# Altium PCB MOTHERBOARD.PcbDoc (part 3 of 4)
Units mm, origin at the board's own origin, x right, y up, seen from the top; angles counter-clockwise.
Board outline 187 x 77 mm, 4 copper layers (Top Layer, Layer 1, Layer 2, Bottom Layer), stack 1.57 mm thick; 266 components, 248 nets, 1158 pads, 1379 vias.
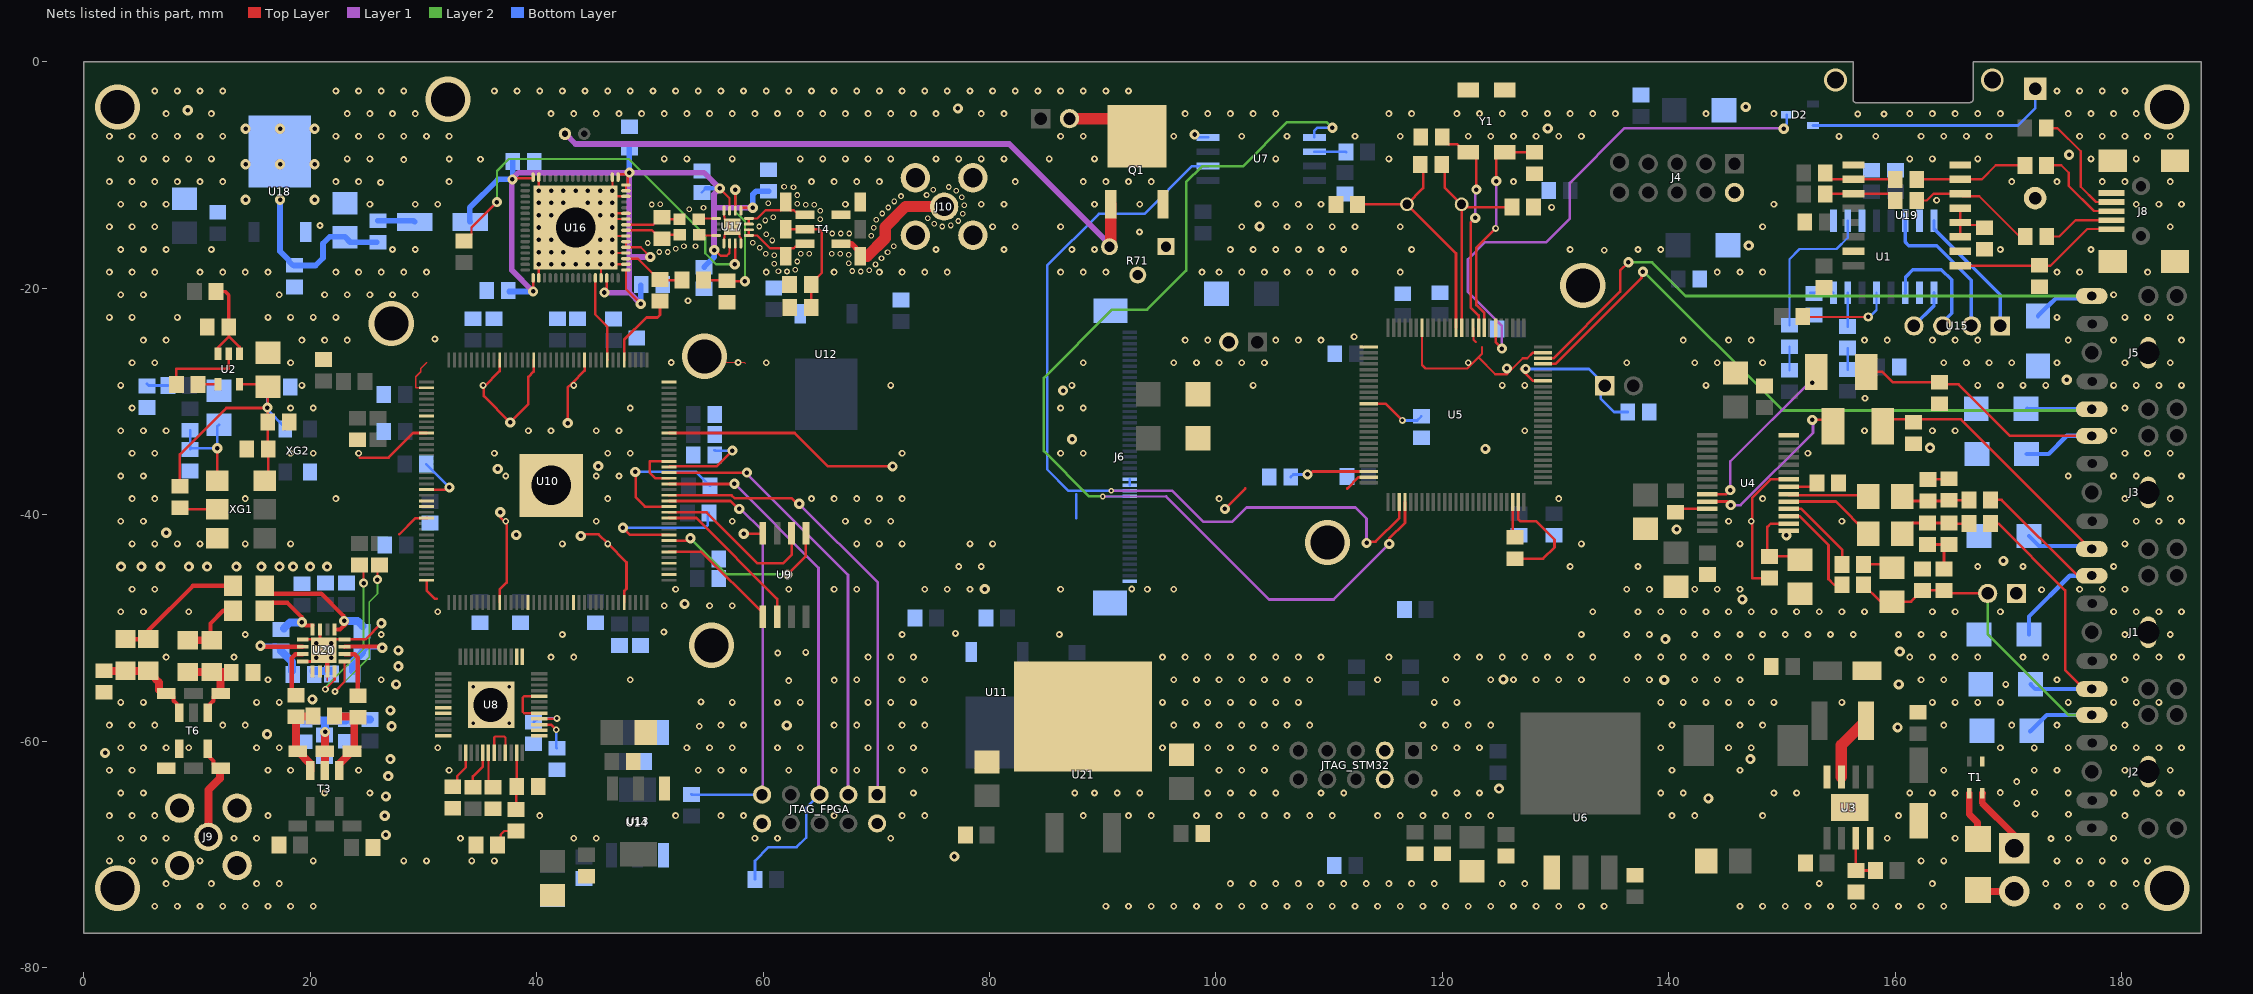
[diagram p5: the nets of this part, all layers, seen from the top]

## Via types
v1: diameter 0.6, hole 0.3, Top Layer to Bottom Layer, tented both sides, 922 vias
v2: diameter 0.9, hole 0.4, Top Layer to Bottom Layer, tented both sides, 305 vias
v3: diameter 0.5, hole 0.3, Top Layer to Bottom Layer, tented both sides, 73 vias
v4: diameter 0.8, hole 0.4, Top Layer to Bottom Layer, tented both sides, 21 vias
v5: diameter 0.5, hole 0.25, Top Layer to Bottom Layer, tented both sides, 16 vias
v6: diameter 0.55, hole 0.3, Top Layer to Bottom Layer, tented both sides, 13 vias
v7: diameter 4, hole 3, Top Layer to Bottom Layer, 10 vias
v8: diameter 0.6, hole 0.25, Top Layer to Bottom Layer, tented both sides, 10 vias
v9: diameter 2, hole 1.5, Top Layer to Bottom Layer, 2 vias
v10: diameter 0.45, hole 0.2, Top Layer to Bottom Layer, tented both sides, 2 vias
v11: diameter 0.7, hole 0.4, Top Layer to Bottom Layer, tented both sides, 2 vias
v12: diameter 3.5, hole 3, Top Layer to Bottom Layer, 1 vias
v13: diameter 0.5, hole 0.2, Top Layer to Bottom Layer, tented both sides, 1 vias
v14: diameter 4, hole 3.5, Top Layer to Bottom Layer, 1 vias

## Nets (pads, with @x,y where several pads share a name; then routed paths per layer and width w, separated by ;. In a path a pad name is that pad's centre, name@x,y a point inside that pad or via, vN(x,y) a via of type N, cw(c..) or ccw(c..) an arc to the next point about the centre after c; other vN are vias at no path point) (continued)
GND: B1.2 C1.2 C2.2 C3.1 C4.1 C5.1 C6.1 C7.1 C8.2 C9.1 C10.1 C11.1 C13.2 C14.2 C15.2 C16.2 C17.2 C19.2 C20.2 C21.1 C22.2 C23.1 C24.2 C27.1 C28.1 C30.1 C31.1 C32.2 C36.1 C37.1 C38.2 C39.2 C40.1 C41.1 C42.1 C43.1 C44.1 C45.1 C46.1 C47.1 C48.1 C49.1 C50.1 C51.2 C52.2 C53.1 C54.2 C56.1 C57.1 C58.1 C59.1 C60.2 C61.2 C62.2 C63.1 C64.1 C65.2 C66.1 C67.2 C68.1 C69.2 C70.2 C71.1 C72.2 C73.2 C74.2 C75.1 C76.2 C77.1 C78.1 C79.2 C80.1 C81.1 C82.2 C83.1 C84.2 C85.1 C86.2 C87.2 C88.2 C89.1 C90.1 C91.2 C92.1 C93.1 C94.2 C95.2 C96.1 C97.1 C98.2 C99.2 C100.1 C101.2 C104.1 C108.2 C109.1 C110.1 C112.2 C113.2 C114.2 C115.2 C116.1 C117.1 C118.1 C119.2 C120.2 C121.2 C122.2 C123.1 C124.1 C125.1 C126.1 C135.1 C136.1 C137.1 D1.2 D3.2 D29.2 D30.2 D31.2 D34.2 D35.2 D36.2 D37.2 D38.2 D39.2 D40.2 J1.1 J2.1 J3.1 J4.2 J5.1 J6.27 J6.28 J6.45 J6.46 J6.47 J8.5 J8.6 J8.7 J8.8 J8.9 J9.1 J9.2 J9.3 J9.4 J10.1 J10.2 J10.3 J10.4 JTAG_FPGA.2 JTAG_FPGA.10 JTAG_STM32.3 JTAG_STM32.4 MIC_IN2.1 PTT_IN.2 Q1.3 R1.1 R5.1 R6.1 R12.1 R13.1 R14.1 R15.1 R16.1 R19.2 R22.2 R23.2 R26.2 R27.1 R28.1 R34.1 R35.1 R38.1 R46.1 R48.2 R49.2 R50.2 R56.1 R57.2 R71.1 R71.2 T1.1 T4.6 T4.10 T6.4 T6.11 U1.2 U1.9 U1.11 U1.15 U2.2 U3.4 U3.8 U3.9 U4.11 U4.15 U4.22 U4.28 U5.10 U5.19 U5.26 U5.49 U5.74 U5.99 U6.1 U7.4 U8.1 U8.2 U8.19 U8.20 U8.24 U8.31 U8.33 U8.37 U8.38 U8.41 U8.44 U8.49 U9.4 U10.2 U10.4 U10.19 U10.22 U10.27 U10.36 U10.41 U10.48 U10.57 U10.63 U10.74 U10.79 U10.82 U10.94 U10.95 U10.97 U10.108 U10.118 U10.123 U10.131 U10.140 U10.145 U11.1 U12.1 U13.1 U14.1 U16.2 U16.4 U16.7 U16.10 U16.11 U16.14 U16.18 U16.31 U16.50 U16.61 U16.65 U17.4 U17.9 U17.12 U17.17 U18.1 U19.2 U19.8 U19.9 U19.15 U20.1 U20.4 U20.5 U20.6 U20.7 U20.12 U20.15 U20.17 U21.3 XG1.3 XG2.2 Y1.2 Y1.3 | length 255.9
  Top Layer w0.102: v7(54.825,-26.025) 55.355,-26.555 58.355,-26.555 58.45,-26.65
  Top Layer w0.15: 21.525,-54.655 U20.7@21.525,-53.85 ; 30.281,-26.592 29.775,-27.098 29.775,-27.375 29.325,-27.825 29.325,-28.75 29.375,-28.8 U10.74@30.3,-28.8
  Top Layer w0.2: 36.25,-59.7 36.35,-59.6 37.133,-59.6 37.25,-59.717 U8.33@37.25,-61.038 ; U16.50@40.2,-19.1 v2(40.2,-17.9) ; v2(40.2,-11.4) U16.31@40.2,-10.2 ; U8.41@40.238,-57.55 38.917,-57.55 38.775,-57.408 38.775,-56.167 38.892,-56.05 U8.44@40.238,-56.05 ; U16.65@41.094,-17.006 v2(40.2,-17.9) ; U16.65@41.572,-16.528 v2(40.2,-17.9) ; U16.65@44.417,-13.388 U16.65@43.45,-14.354 ; U16.65@44.7,-13.4 44.7,-13.131 45.4,-12.431 45.506,-12.431 46.475,-13.4 U16.11@47.9,-13.4 ; U16.65@44.96,-16.16 U16.65@45.304,-16.16 ; U16.65@45.4,-17.213 45.4,-16.6 U16.65@44.2,-15.4 ; U16.65@45.4,-16.256 45.654,-16.256 45.725,-16.327 45.725,-16.475 U16.65@46.7,-17.45 ; U16.65@45.4,-13.388 44.713,-13.388 U16.65@44.2,-13.9 ; U16.65@45.413,-15.388 U16.65@44.675,-14.65 ; U16.65@45.654,-17.213 U16.65@45.654,-16.404 ; U16.65@45.654,-16.263 U16.65@45.654,-16.404 ; U16.61@45.7,-19.1 45.7,-18.25 44.59,-17.14 44.49,-17.14 43.45,-16.1 43.45,-15.35 v14(43.45,-14.65) ; U16.65@46.2,-11.9 U16.14@47.9,-11.9 ; v2(46.7,-17.9) U16.65@46.7,-17.45 ; U16.18@46.7,-10.2 46.7,-11.05 46.575,-11.175 46.475,-11.175 43.45,-14.2 U16.65@43.45,-14.354 ; U16.2@47.9,-17.9 47.05,-17.9 46.925,-17.775 46.925,-17.675 U16.65@46.7,-17.45 ; U16.4@47.9,-16.9 46.925,-16.9 46.378,-16.353 U16.65@44.675,-14.65 ; U16.7@47.9,-15.4 46.475,-15.4 45.4,-15.4 44.544,-15.4 U16.65@44.2,-15.4 ; U16.10@47.9,-13.9 U16.65@44.2,-13.9 ; U17.9@56.55,-16.05 56.55,-15.576 56.6,-15.526 56.6,-15.3 v13(57.3,-14.6) ; U17.4@56.55,-13.15 56.55,-13.624 56.6,-13.674 56.6,-13.9 v13(57.3,-14.6) ; U17.12@58.05,-16.05 58.05,-15.6 57.925,-15.475 57.925,-15.225 v13(57.3,-14.6) ; U5.19@118.2,-23.5 118.2,-26.8 118.5,-27.1 122.2,-27.1 123.184,-26.116 ; U5.10@122.7,-23.5 122.741,-23.541 122.741,-24.553 122.947,-24.759 ; 123.5,-25.2 123.5,-25.8 123.184,-26.116 ; v2(125.7,-27.1) v2@125.95,-27.35 ; U5.99@128.9,-25.7 128,-25.7 127.5,-26.2 127.1,-26.2 v2@125.95,-27.35 ; v2(40.2,-17.9) 42.575,-15.525 v14(43.45,-14.65) ; v14(43.45,-14.65) U16.65@43.45,-14.354 ; v14(43.45,-14.65) U16.65@44.2,-15.4 ; v14(43.45,-14.65) U16.65@43.9,-14.65 ; v14(43.45,-14.65) U16.65@44.2,-13.9 ; U16.65@43.9,-14.65 44.417,-14.65 U16.65@44.675,-14.65 ; U16.65@43.9,-14.65 U16.65@45.654,-16.404 ; U16.65@45.654,-16.404 U16.65@46.7,-17.45 ; 123.184,-26.116 124.667,-27.6 125.7,-27.6 v2@125.95,-27.35
  Top Layer w0.23: J9.4@8.114,-66.97 9.244,-65.84 J9.4@9.244,-65.26 ; C11.1@8.208,-28.505 8.193,-28.491 8.193,-27.122 12.814,-27.122 U2.2@12.814,-25.807 ; U20.4@19.35,-52.975 20.225,-52.975 v2(20.55,-52.65) v2(20.55,-51.35) ; U20.1@19.35,-51.025 20.225,-51.025 U20.17@20.875,-51.675 ; U20.15@20.875,-50.15 U20.17@20.875,-51.675 ; U20.17@22.175,-52.975 21.525,-52.325 v2(20.55,-51.35) ; 24.4,-34.975 26.925,-34.975 28.7,-33.2 29.1,-32.8 U10.82@30.3,-32.8 ; v2(26.3,-49.6) 24.875,-51.025 U20.12@23.05,-51.025 22.175,-51.025 v2(21.85,-51.35) v2(20.55,-51.35) ; 27.875,-41.75 29.313,-40.312 30.288,-40.312 U10.97@30.3,-40.3 ; U10.108@30.3,-45.8 30.3,-46.7 31.05,-47.45 31.175,-47.45 ; U8.31@36.25,-61.038 36.25,-59.7 ; U10.118@36.75,-47.75 36.75,-46.615 37.357,-46.008 37.357,-40.798 36.8,-40.241 v2(36.8,-39.8) ; U10.63@36.75,-26.35 36.75,-27.326 35.351,-28.726 35.351,-29.539 v2(37.673,-31.861) 39.278,-30.256 39.278,-27.851 39.75,-27.379 U10.57@39.75,-26.35 ; v2(42.749,-31.925) 42.749,-28.791 43.114,-28.426 44.25,-27.29 U10.48@44.25,-26.35 ; v2(43.906,-41.885) 44.038,-41.753 45.469,-41.753 46.294,-42.578 47.947,-44.23 47.947,-46.55 47.75,-46.747 U10.140@47.75,-47.75 ; U10.19@51.7,-36.8 50.492,-36.8 50.01,-36.319 50.01,-35.3 U10.22@51.7,-35.3 ; U10.27@51.7,-32.8 62.8,-32.8 65.75,-35.75 v2(71.45,-35.75) ; v2(58.298,-41.703) 59.915,-41.703 U9.4@59.981,-41.638 ; v2(100.8,-39.5) 102.6,-37.7 ; 111.6,-37.7 112.6,-36.7 U5.49@113.5,-36.7 ; C41.1@126.4,-43.9 128.9,-43.9 129.9,-42.9 129.9,-42.2 128.3,-40.6 126.9,-40.6 126.7,-40.4 U5.74@126.7,-38.9 ; C23.1@140.6,-39.8 140.9,-39.5 U4.11@143.4,-39.5 ; C31.1@148.9,-45.6 148.881,-45.619 147.357,-45.619 147.357,-38.526 148.982,-36.9 U4.22@150.6,-36.9 ; v2(150.389,-41.841) 150.389,-41.662 U4.15@150.6,-41.45 ; R5.1@162.4,-43.1 R5.1@162.85,-42.65 C27.1@164.75,-42.65 164.3,-43.1 R12.1@164.3,-44.8 ; C28.1@162.9,-36.9 164.7,-36.9 R6.1@164.75,-36.85 ; v2(20.55,-51.35) U20.17@20.875,-51.675
  Top Layer w0.254: U10.41@47.75,-26.35 47.75,-24.55 49.7,-22.6 50.677,-22.6 50.9,-22.377 C122.2@50.9,-21.15
  Top Layer w0.381: U20.7@21.525,-53.85 U20.17@21.525,-52.325 ; v2(40.2,-11.4) U16.65@40.25,-11.45 ; U16.65@40.25,-13.55 40.25,-12.431 U16.65@40.25,-11.45 ; v14(43.45,-14.65) 42.294,-13.494 41.291,-12.491 U16.65@40.25,-11.45 ; U16.65@46.2,-11.9 v2(46.7,-11.4)
  Bottom Layer w0.23: v2@20.2,-56.174 v2@20.226,-56.2 ; 87.66,-40.32 87.66,-38.232 ; J6.28@92.4,-37.4 J6.27@92.4,-36.9 ; v2(98.117,-6.435) 98.372,-6.69 U7.4@99.3,-6.69
  other v1: 6.281,-74.592 8.281,-74.592 10.281,-74.592 12.281,-74.592 14.281,-74.592 16.281,-74.592 18.281,-74.592 20.281,-74.592 90.281,-74.592 92.281,-74.592 94.281,-74.592 96.281,-74.592 98.281,-74.592 100.281,-74.592 102.281,-74.592 104.281,-74.592 106.281,-74.592 108.281,-74.592 110.281,-74.592 112.281,-74.592 114.281,-74.592 116.281,-74.592 118.281,-74.592 120.281,-74.592 122.281,-74.592 124.281,-74.592 126.281,-74.592 128.281,-74.592 130.281,-74.592 132.281,-74.592 134.281,-74.592 146.281,-74.592 148.281,-74.592 150.281,-74.592 152.281,-74.592 154.281,-74.592 156.281,-74.592 158.281,-74.592 160.281,-74.592 162.281,-74.592 164.281,-74.592 174.281,-74.592 176.281,-74.592 178.281,-74.592 180.281,-74.592 7.281,-72.592 11.281,-72.592 15.281,-72.592 17.281,-72.592 101.281,-72.592 103.281,-72.592 105.281,-72.592 107.281,-72.592 109.281,-72.592 111.281,-72.592 113.281,-72.592 115.281,-72.592 117.281,-72.592 119.281,-72.592 125.281,-72.592 127.281,-72.592 163.281,-72.592 173.281,-72.592 175.281,-72.592 177.281,-72.592 179.281,-72.592 181.281,-72.592 153.275,-72.585 2.281,-70.592 4.281,-70.592 6.281,-70.592 10.281,-70.592 20.281,-70.592 28.281,-70.592 30.281,-70.592 34.281,-70.592 36.281,-70.592 162.281,-70.592 164.281,-70.592 174.281,-70.592 176.281,-70.592 178.281,-70.592 180.281,-70.592 182.281,-70.592 173.75,-68.61 3.281,-68.592 5.281,-68.592 7.281,-68.592 13.281,-68.592 15.281,-68.592 33.281,-68.592 43.281,-68.592 45.281,-68.592 59.281,-68.592 61.281,-68.592 71.281,-68.592 159.281,-68.592 165.281,-68.592 175.281,-68.592 179.281,-68.592 2.281,-66.592 4.281,-66.592 6.281,-66.592 16.281,-66.592 40.281,-66.592 52.281,-66.592 56.281,-66.592 58.281,-66.592 66.281,-66.592 72.281,-66.592 74.281,-66.592 88.281,-66.592 92.281,-66.592 94.281,-66.592 98.281,-66.592 100.281,-66.592 102.281,-66.592 104.281,-66.592 106.281,-66.592 108.281,-66.592 110.281,-66.592 114.281,-66.592 116.281,-66.592 118.281,-66.592 120.281,-66.592 122.281,-66.592 124.281,-66.592 140.281,-66.592 142.281,-66.592 148.281,-66.592 160.281,-66.592 164.281,-66.592 180.281,-66.592 175.3,-66.46 172.35,-66.435 170.725,-65.51 3.281,-64.592 5.281,-64.592 21.281,-64.592 25.281,-64.592 73.281,-64.592 87.527,-64.592 89.281,-64.592 91.281,-64.592 93.281,-64.592 99.281,-64.592 101.281,-64.592 103.281,-64.592 105.281,-64.592 109.281,-64.592 111.281,-64.592 119.281,-64.592 121.281,-64.592 123.281,-64.592 139.281,-64.592 141.281,-64.592 149.281,-64.592 151.281,-64.592 161.281,-64.592 163.281,-64.592 165.281,-64.592 175.281,-64.592 179.281,-64.592 181.281,-64.592 183.281,-64.592 185.281,-64.592 169.275,-64.56 172.3,-64.535 170.725,-63.585 2.281,-62.592 4.281,-62.592 16.281,-62.592 18.281,-62.592 24.281,-62.592 32.281,-62.592 54.281,-62.592 56.281,-62.592 58.281,-62.592 62.281,-62.592 66.281,-62.592 68.281,-62.592 72.281,-62.592 74.281,-62.592 100.281,-62.592 102.281,-62.592 104.281,-62.592 140.281,-62.592 146.281,-62.592 164.281,-62.592 172.281,-62.592 174.281,-62.592 180.281,-62.592 184.281,-62.592 172.275,-60.61 3.281,-60.592 5.281,-60.592 7.281,-60.592 9.281,-60.592 15.281,-60.592 17.281,-60.592 31.281,-60.592 53.281,-60.592 55.281,-60.592 57.281,-60.592 61.281,-60.592 63.281,-60.592 69.281,-60.592 71.281,-60.592 73.281,-60.592 95.281,-60.592 99.281,-60.592 101.281,-60.592 103.281,-60.592 105.281,-60.592 119.281,-60.592 121.281,-60.592 123.281,-60.592 139.281,-60.592 145.281,-60.592 147.281,-60.592 169.281,-60.592 175.281,-60.592 179.281,-60.592 181.281,-60.592 183.281,-60.592 185.281,-60.592 54.376,-58.693 2.281,-58.592 4.281,-58.592 6.281,-58.592 12.281,-58.592 14.281,-58.592 56.281,-58.592 58.281,-58.592 66.281,-58.592 68.281,-58.592 72.281,-58.592 74.281,-58.592 96.281,-58.592 98.281,-58.592 100.281,-58.592 102.281,-58.592 104.281,-58.592 106.281,-58.592 108.281,-58.592 118.281,-58.592 120.281,-58.592 122.281,-58.592 124.281,-58.592 140.281,-58.592 146.281,-58.592 148.281,-58.592 164.281,-58.592 170.281,-58.592 174.281,-58.592 180.281,-58.592 3.281,-56.592 5.281,-56.592 15.281,-56.592 17.281,-56.592 57.281,-56.592 61.281,-56.592 63.281,-56.592 69.281,-56.592 71.281,-56.592 73.281,-56.592 95.281,-56.592 97.281,-56.592 99.281,-56.592 101.281,-56.592 103.281,-56.592 105.281,-56.592 107.281,-56.592 119.281,-56.592 121.281,-56.592 139.281,-56.592 141.281,-56.592 143.281,-56.592 145.281,-56.592 147.281,-56.592 149.281,-56.592 155.281,-56.592 163.281,-56.592 165.281,-56.592 167.281,-56.592 169.281,-56.592 175.281,-56.592 179.281,-56.592 181.281,-56.592 183.281,-56.592 54.525,-56.55 169.75,-55 62.281,-54.667 66.293,-54.621 16.281,-54.592 26.281,-54.592 48.281,-54.592 68.281,-54.592 72.281,-54.592 74.281,-54.592 96.281,-54.592 98.281,-54.592 100.281,-54.592 102.281,-54.592 104.281,-54.592 106.281,-54.592 108.281,-54.592 114.281,-54.592 120.281,-54.592 124.281,-54.592 126.281,-54.592 128.281,-54.592 130.281,-54.592 132.281,-54.592 136.281,-54.592 138.281,-54.592 142.281,-54.592 144.281,-54.592 146.281,-54.592 162.281,-54.592 164.281,-54.592 174.281,-54.592 180.281,-54.592 7.281,-52.592 13.281,-52.592 41.281,-52.592 43.281,-52.592 69.281,-52.592 71.281,-52.592 73.281,-52.592 95.281,-52.592 97.281,-52.592 99.281,-52.592 101.281,-52.592 103.281,-52.592 105.281,-52.592 107.281,-52.592 109.281,-52.592 115.281,-52.592 121.281,-52.592 123.281,-52.592 125.281,-52.592 127.281,-52.592 129.281,-52.592 131.281,-52.592 133.281,-52.592 137.281,-52.592 139.281,-52.592 141.281,-52.592 143.281,-52.592 145.281,-52.592 147.281,-52.592 161.281,-52.592 163.281,-52.592 165.281,-52.592 167.281,-52.592 171.281,-52.592 173.281,-52.592 179.281,-52.592 181.281,-52.592 183.281,-52.592 185.281,-52.592 61.3,-52.225 63.775,-52.175 14.281,-50.592 26.281,-50.592 42.281,-50.592 72.281,-50.592 86.173,-50.592 132.281,-50.592 136.281,-50.592 138.281,-50.592 142.281,-50.592 144.281,-50.592 146.281,-50.592 148.281,-50.592 150.281,-50.592 152.281,-50.592 154.281,-50.592 156.281,-50.592 160.281,-50.592 162.281,-50.592 164.281,-50.592 180.281,-50.592 184.281,-50.592 77,-50.5 51.25,-50.375 3.281,-48.592 5.281,-48.592 9.281,-48.592 31.281,-48.592 133.281,-48.592 137.281,-48.592 139.281,-48.592 141.281,-48.592 143.281,-48.592 145.281,-48.592 147.281,-48.592 149.281,-48.592 151.281,-48.592 153.281,-48.592 155.281,-48.592 157.281,-48.592 163.281,-48.592 165.281,-48.592 169.281,-48.592 179.281,-48.592 181.281,-48.592 183.281,-48.592 185.281,-48.592 51.281,-48.046 55.281,-48.046 57.281,-48.046 172.925,-46.65 4.281,-46.592 6.281,-46.592 52.281,-46.592 62.281,-46.592 66.281,-46.592 68.281,-46.592 74.281,-46.592 76.281,-46.592 78.281,-46.592 86.281,-46.592 93.948,-46.592 96.281,-46.592 136.281,-46.592 138.281,-46.592 142.281,-46.592 144.281,-46.592 146.281,-46.592 176.281,-46.592 178.281,-46.592 180.281,-46.592 92.575,-46.575 77.281,-44.592 79.281,-44.592 131.281,-44.592 137.281,-44.592 167.281,-44.592 171.281,-44.592 179.281,-44.592 4.281,-42.592 6.281,-42.592 8.281,-42.592 10.281,-42.592 14.281,-42.592 18.281,-42.592 42.281,-42.592 46.281,-42.592 68.281,-42.592 70.281,-42.592 72.281,-42.592 78.281,-42.592 80.281,-42.592 132.281,-42.592 146.281,-42.592 180.281,-42.592 3.281,-40.592 5.281,-40.592 37.281,-40.592 45.281,-40.592 57.281,-40.592 67.281,-40.592 69.281,-40.592 71.281,-40.592 145.281,-40.592 147.281,-40.592 155.281,-40.592 181.281,-40.592 183.281,-40.592 185.281,-40.592 4.281,-38.592 6.281,-38.592 14.281,-38.592 22.281,-38.592 46.281,-38.592 64.281,-38.592 66.281,-38.592 68.281,-38.592 70.281,-38.592 72.281,-38.592 100.281,-38.592 130.281,-38.592 148.281,-38.592 180.281,-38.592 184.281,-38.592 3.281,-36.592 5.281,-36.592 37.281,-36.592 45.281,-36.592 47.281,-36.592 175.281,-36.592 179.281,-36.592 181.281,-36.592 185.281,-36.592 4.281,-34.592 6.281,-34.592 18.281,-34.592 20.281,-34.592 24.281,-34.592 36.281,-34.592 46.281,-34.592 48.281,-34.592 72.281,-34.592 86.281,-34.592 88.281,-34.592 152.281,-34.592 180.281,-34.592 182.281,-34.592 184.281,-34.592 3.281,-32.592 5.281,-32.592 7.281,-32.592 39.281,-32.592 41.281,-32.592 45.281,-32.592 47.281,-32.592 127.281,-32.592 157.281,-32.592 163.281,-32.592 165.281,-32.592 179.281,-32.592 4.281,-30.592 18.281,-30.592 20.281,-30.592 48.281,-30.592 86.281,-30.592 88.281,-30.592 180.281,-30.592 157.325,-29.725 3.281,-28.592 19.281,-28.592 35.281,-28.592 43.281,-28.592 71.281,-28.592 87.281,-28.592 103.281,-28.592 125.281,-28.592 127.281,-28.592 143.281,-28.592 167.281,-28.592 169.281,-28.592 171.281,-28.592 173.281,-28.592 179.281,-28.592 181.281,-28.592 183.281,-28.592 185.281,-28.592 4.281,-26.592 6.281,-26.592 18.281,-26.592 60.281,-26.592 88.281,-26.592 96.281,-26.592 98.281,-26.592 100.281,-26.592 102.281,-26.592 104.281,-26.592 122.281,-26.592 136.281,-26.592 142.281,-26.592 144.281,-26.592 148.281,-26.592 164.281,-26.592 166.281,-26.592 168.281,-26.592 170.281,-26.592 174.281,-26.592 180.281,-26.592 184.281,-26.592 51.9,-26.575 57.8,-26.575 5.281,-24.592 7.281,-24.592 19.281,-24.592 21.281,-24.592 23.281,-24.592 97.281,-24.592 99.281,-24.592 105.281,-24.592 107.281,-24.592 109.281,-24.592 141.281,-24.592 145.281,-24.592 147.281,-24.592 157.281,-24.592 159.281,-24.592 163.281,-24.592 165.281,-24.592 167.281,-24.592 175.281,-24.592 179.281,-24.592 185.281,-24.592 31.025,-24.5 112.2,-24.3 2.281,-22.592 4.281,-22.592 8.281,-22.592 16.281,-22.592 18.281,-22.592 20.281,-22.592 22.281,-22.592 174.281,-22.592 180.281,-22.592 182.281,-22.592 184.281,-22.592 53.375,-21.125 3.281,-20.592 5.281,-20.592 17.281,-20.592 21.281,-20.592 23.281,-20.592 25.281,-20.592 27.281,-20.592 29.281,-20.592 179.281,-20.592 2.281,-18.592 4.281,-18.592 6.281,-18.592 10.281,-18.592 12.281,-18.592 14.281,-18.592 16.281,-18.592 22.281,-18.592 24.281,-18.592 26.281,-18.592 28.281,-18.592 30.281,-18.592 60.281,-18.592 66.281,-18.592 70.281,-18.592 72.281,-18.592 74.281,-18.592 76.281,-18.592 86.281,-18.592 88.281,-18.592 90.281,-18.592 98.767,-18.592 100.281,-18.592 102.281,-18.592 104.281,-18.592 106.281,-18.592 108.281,-18.592 110.281,-18.592 112.281,-18.592 116.281,-18.592 144.281,-18.592 146.281,-18.592 148.281,-18.592 174.281,-18.592 176.281,-18.592 182.281,-18.592 134.3,-16.65 3.281,-16.592 5.281,-16.592 7.281,-16.592 11.281,-16.592 27.281,-16.592 29.281,-16.592 75.281,-16.592 81.281,-16.592 87.281,-16.592 89.281,-16.592 101.281,-16.592 103.281,-16.592 105.281,-16.592 107.281,-16.592 109.281,-16.592 111.281,-16.592 117.281,-16.592 131.281,-16.592 137.281,-16.592 139.281,-16.592 169.281,-16.592 177.281,-16.592 93.25,-15.05 2.281,-14.592 4.281,-14.592 6.281,-14.592 80.281,-14.592 82.281,-14.592 86.281,-14.592 102.281,-14.592 106.281,-14.592 108.281,-14.592 110.281,-14.592 112.281,-14.592 116.281,-14.592 148.281,-14.592 184.281,-14.592 20.875,-14.475 129.65,-12.875 3.281,-12.592 5.281,-12.592 7.281,-12.592 25.281,-12.592 29.281,-12.592 31.281,-12.592 67.281,-12.592 79.281,-12.592 81.281,-12.592 89.281,-12.592 93.281,-12.592 105.281,-12.592 107.281,-12.592 109.281,-12.592 149.281,-12.592 181.281,-12.592 183.281,-12.592 185.281,-12.592 103.725,-12.575 163.65,-12.25 26.225,-10.675 2.281,-10.592 4.281,-10.592 6.281,-10.592 8.281,-10.592 10.281,-10.592 12.281,-10.592 22.281,-10.592 24.281,-10.592 32.281,-10.592 64.281,-10.592 66.281,-10.592 68.281,-10.592 70.281,-10.592 82.281,-10.592 88.281,-10.592 90.281,-10.592 92.281,-10.592 94.281,-10.592 126.281,-10.592 170.281,-10.592 174.281,-10.592 178.281,-10.592 180.281,-10.592 184.281,-10.592 28.275,-8.65 35.05,-8.625 3.281,-8.592 5.281,-8.592 7.281,-8.592 9.281,-8.592 11.281,-8.592 23.281,-8.592 25.281,-8.592 32.284,-8.601 51.281,-8.592 53.281,-8.592 57.281,-8.592 63.281,-8.592 65.281,-8.592 67.281,-8.592 69.281,-8.592 71.281,-8.592 75.281,-8.592 77.281,-8.592 79.281,-8.592 81.281,-8.592 85.281,-8.592 89.281,-8.592 105.281,-8.592 115.281,-8.592 161.281,-8.592 163.281,-8.592 167.281,-8.592 177.281,-8.592 181.281,-8.592 155.025,-6.6 2.281,-6.592 4.281,-6.592 6.281,-6.592 8.281,-6.592 10.281,-6.592 12.281,-6.592 22.281,-6.592 24.281,-6.592 26.281,-6.592 28.281,-6.592 30.281,-6.592 32.281,-6.592 86.281,-6.592 88.281,-6.592 96.281,-6.592 102.281,-6.592 106.281,-6.592 112.281,-6.592 116.281,-6.592 122.281,-6.592 124.281,-6.592 126.281,-6.592 128.281,-6.592 130.281,-6.592 132.281,-6.592 158.281,-6.592 162.281,-6.592 164.281,-6.592 166.281,-6.592 168.281,-6.592 176.281,-6.592 178.281,-6.592 180.281,-6.592 182.281,-6.592 184.281,-6.592 156.675,-4.625 159,-4.625 7.281,-4.592 11.281,-4.592 23.281,-4.592 25.281,-4.592 27.281,-4.592 29.281,-4.592 41.281,-4.592 43.281,-4.592 45.281,-4.592 47.281,-4.592 49.281,-4.592 51.281,-4.592 53.281,-4.592 55.281,-4.592 57.281,-4.592 59.281,-4.592 61.281,-4.592 63.281,-4.592 65.281,-4.592 67.281,-4.592 69.281,-4.592 71.281,-4.592 73.281,-4.592 75.281,-4.592 79.281,-4.592 81.281,-4.592 97.281,-4.592 99.281,-4.592 101.281,-4.592 103.281,-4.592 105.281,-4.592 115.281,-4.592 117.281,-4.592 121.281,-4.592 123.281,-4.592 125.281,-4.592 127.281,-4.592 129.281,-4.592 131.281,-4.592 133.281,-4.592 135.281,-4.592 143.281,-4.592 149.281,-4.592 161.281,-4.592 163.281,-4.592 165.281,-4.592 167.281,-4.592 169.281,-4.592 175.281,-4.592 177.281,-4.592 179.281,-4.592 181.281,-4.592 6.281,-2.592 8.281,-2.592 10.281,-2.592 12.281,-2.592 22.281,-2.592 24.281,-2.592 26.281,-2.592 28.281,-2.592 36.281,-2.592 38.281,-2.592 40.281,-2.592 42.281,-2.592 44.281,-2.592 46.281,-2.592 48.281,-2.592 50.281,-2.592 52.281,-2.592 54.281,-2.592 56.281,-2.592 58.281,-2.592 60.281,-2.592 62.281,-2.592 64.281,-2.592 66.281,-2.592 68.281,-2.592 70.281,-2.592 72.281,-2.592 74.281,-2.592 76.281,-2.592 78.281,-2.592 80.281,-2.592 82.281,-2.592 84.281,-2.592 86.281,-2.592 88.281,-2.592 90.281,-2.592 92.281,-2.592 174.281,-2.592 176.281,-2.592 178.281,-2.592 180.281,-2.592
  other v2: 76.9,-70.2 26.7,-68.3 26.6,-66.6 143.493,-65.075 26.7,-64.9 125,-64.2 26.9,-63.1 27.1,-61.6 147.2,-61.6 1.9,-61.05 16.2,-59.4 160.2,-58.8 27.2,-58.7 62.093,-58.62 27.1,-57.3 20.2,-56.325 27.6,-55 160.3,-55 139.6,-54.6 125.384,-54.56 27.8,-53.4 21.85,-52.65 160.4,-52.1 27.8,-52 139.7,-51 53.072,-47.896 146.5,-47.5 79.585,-46.59 3.3,-44.6 5.1,-44.6 6.8,-44.6 9.3,-44.6 10.9,-44.6 13.5,-44.6 15.7,-44.6 17.3,-44.6 18.5,-44.6 20,-44.6 21.5,-44.6 169.55,-44.1 38.2,-41.8 7.3,-41.6 140.684,-41.317 36.58,-35.974 45.448,-35.717 123.8,-34.2 163.066,-34.094 87.3,-33.35 86.5,-29.05 175.15,-28.1 41.283,-17.9 42.367,-17.9 43.45,-17.9 44.533,-17.9 45.617,-17.9 40.2,-16.817 41.283,-16.817 42.367,-16.817 44.533,-16.817 45.617,-16.817 46.7,-16.817 147.05,-16.25 40.2,-15.733 41.283,-15.733 45.617,-15.733 46.7,-15.733 40.2,-14.65 46.7,-14.65 103.86,-14.557 40.2,-13.567 41.283,-13.567 45.617,-13.567 46.7,-13.567 40.2,-12.483 41.283,-12.483 42.367,-12.483 44.533,-12.483 45.617,-12.483 46.7,-12.483 41.283,-11.4 42.367,-11.4 43.45,-11.4 44.533,-11.4 45.617,-11.4 175.345,-8.223 129.3,-5.9 9.2,-4.3 77.209,-4.13 146.8,-4